# KiCad board ciaa_acc.kicad_pcb (continued)
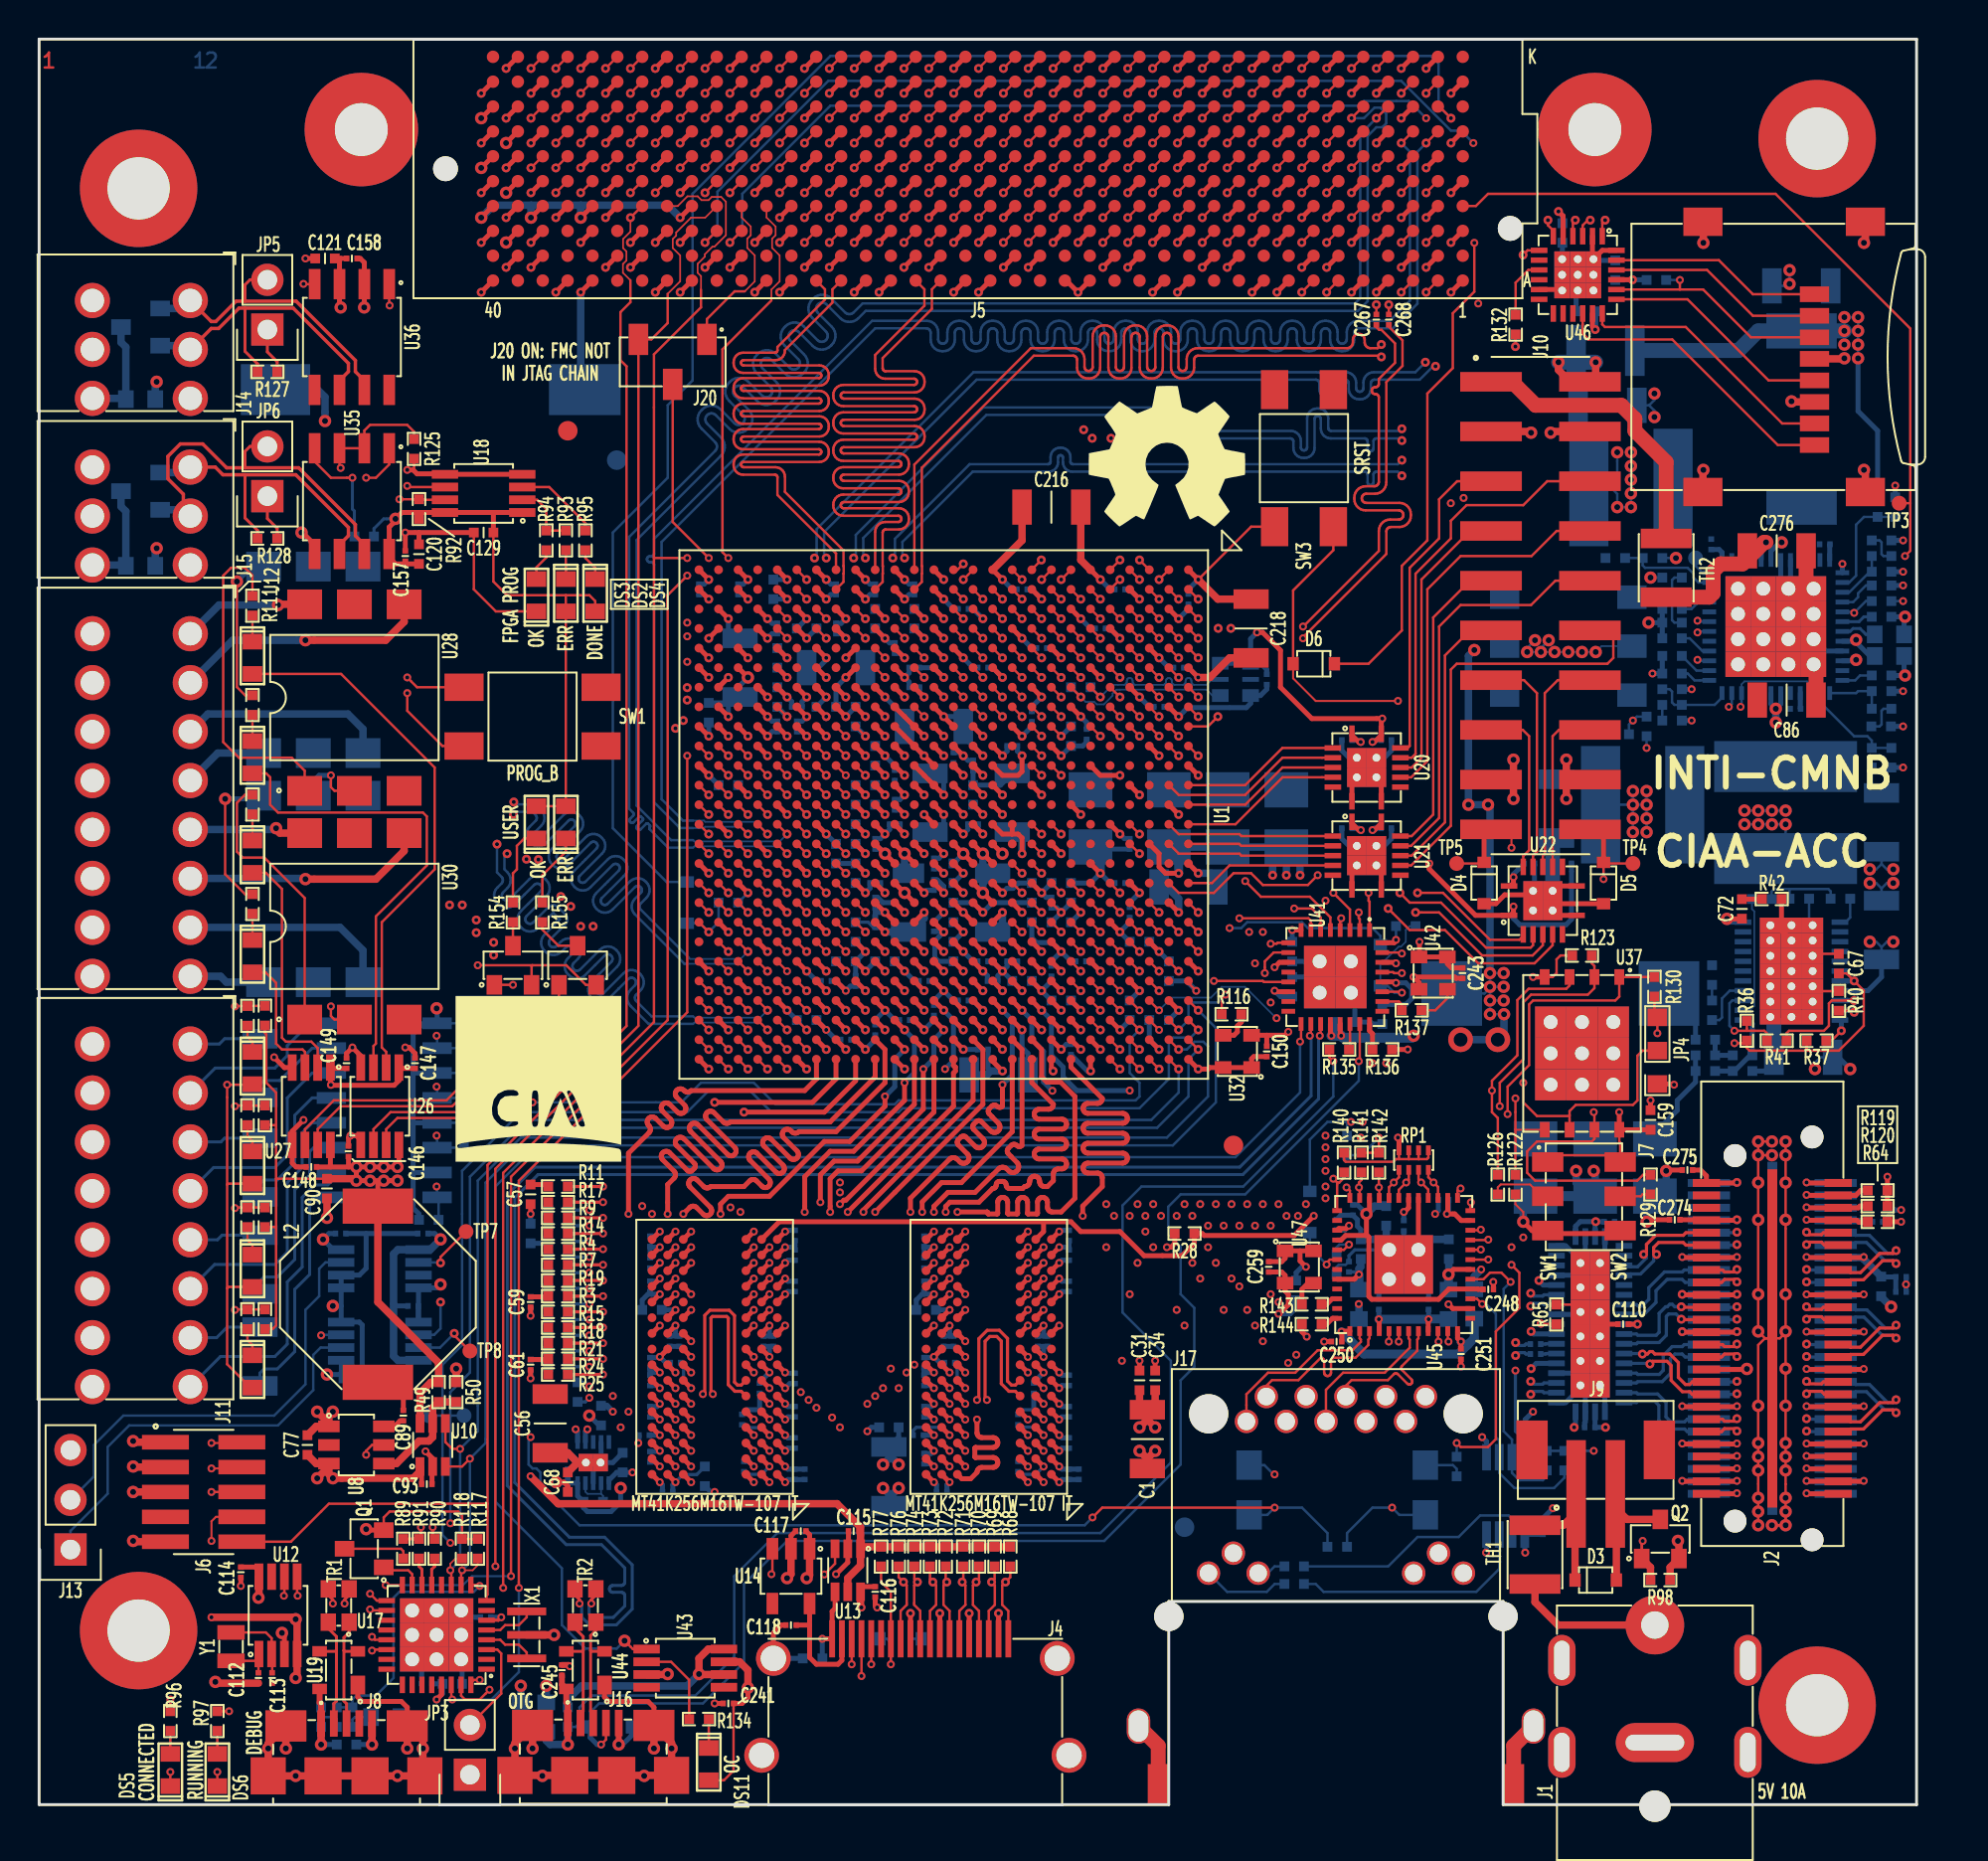
[diagram p0: board, top side]
## Routing (per net, layer and track width the routed paths; a pad name or vN(x,y) marks a point on that pad's centre or on a via; arc(x,y) is an arc through that point) (continued)
/Principal/BANKS_HP/FMC_HB_6_P: length 54.3
  TOP_L1.Sig w0.127: v2(37.82,88.67) 38.41,89.27 J5.K28 ; U1.J4 v2(51.2,59.57)
  L3.Sig w0.089: v2(37.82,88.67) 37.32,88.18 37.32,76.05 37.31,75.97 37.29,75.89 37.24,75.82 37.18,75.76 37.11,75.72 37.04,75.69 36.96,75.68 35.99,75.68 35.97,75.68 35.95,75.67 35.92,75.66 35.91,75.64 35.89,75.62 35.89,75.59 35.88,75.57 35.89,75.55 35.89,75.52 35.91,75.5 35.92,75.48 35.95,75.47 35.97,75.46 35.99,75.46 36.96,75.46 37.04,75.45 37.11,75.42 37.18,75.38 37.24,75.32 37.29,75.25 37.31,75.17 37.32,75.09 37.32,75.05 37.31,74.97 37.29,74.89 37.24,74.82 37.18,74.76 37.11,74.72 37.04,74.69 36.96,74.68 35.99,74.68 35.97,74.68 35.95,74.67 35.92,74.66 35.91,74.64 35.89,74.62 35.89,74.59 35.88,74.57 35.89,74.55 35.89,74.52 35.91,74.5 35.92,74.48 35.95,74.47 35.97,74.46 35.99,74.46 36.96,74.46 37.04,74.45 37.11,74.42 37.18,74.38 37.24,74.32 37.29,74.25 37.31,74.17 37.32,74.09 37.32,74.05 37.31,73.97 37.29,73.89 37.24,73.82 37.18,73.76 37.11,73.72 37.04,73.69 36.96,73.68 35.99,73.68 35.97,73.68 35.95,73.67 35.92,73.66 35.91,73.64 35.89,73.62 35.89,73.59 35.88,73.57 35.89,73.55 35.89,73.52 35.91,73.5 35.92,73.48 35.95,73.47 35.97,73.46 35.99,73.46 36.96,73.46 37.04,73.45 37.11,73.42 37.18,73.38 37.24,73.32 37.29,73.25 37.31,73.17 37.32,73.09 37.32,73.05 37.31,72.97 37.29,72.89 37.24,72.82 37.18,72.76 37.11,72.72 37.04,72.69 36.96,72.68 35.99,72.68 35.97,72.68 35.95,72.67 35.92,72.66 35.91,72.64 35.89,72.62 35.89,72.59 35.88,72.57 35.89,72.55 35.89,72.52 35.91,72.5 35.92,72.48 35.95,72.47 35.97,72.46 35.99,72.46 36.96,72.46 37.04,72.45 37.11,72.42 37.18,72.38 37.24,72.32 37.29,72.25 37.31,72.17 37.32,72.09 37.32,72.05 37.31,71.97 37.29,71.89 37.24,71.82 37.18,71.76 37.11,71.72 37.04,71.69 36.96,71.68 35.99,71.68 35.97,71.68 35.95,71.67 35.92,71.66 35.91,71.64 35.89,71.62 35.89,71.59 35.88,71.57 35.89,71.55 35.89,71.52 35.91,71.5 35.92,71.48 35.95,71.47 35.97,71.46 35.99,71.46 36.96,71.46 37.04,71.45 37.11,71.42 37.18,71.38 37.24,71.32 37.29,71.25 37.31,71.17 37.32,71.09 37.32,70.44 38.76,69 47.02,69 51.84,64.18 51.84,63.87 51.82,63.85 51.82,60.19 v2(51.2,59.57)
/Principal/BANKS_HP/FMC_HB_7_N: length 54.3
  TOP_L1.Sig w0.127: U1.H6 v2(52.2,57.57) ; v2(37.82,87.4) 38.41,88 J5.J28
  L3.Sig w0.089: v2(52.2,57.57) 52.57,57.94 52.57,63.13 52.56,63.15 52.56,64.34 47.41,69.48 40.17,69.48 38.31,71.34 38.31,71.77 38.31,71.8 38.3,71.83 38.28,71.85 38.26,71.88 38.24,71.89 38.21,71.9 38.18,71.91 37.92,71.91 37.83,71.92 37.75,71.94 37.67,71.99 37.61,72.05 37.56,72.13 37.53,72.21 37.52,72.3 37.52,72.34 37.53,72.43 37.56,72.51 37.61,72.59 37.67,72.65 37.75,72.7 37.83,72.72 37.92,72.73 39.32,72.73 39.35,72.74 39.38,72.75 39.4,72.76 39.42,72.79 39.44,72.81 39.45,72.84 39.45,72.87 39.45,72.9 39.44,72.93 39.42,72.95 39.4,72.98 39.38,72.99 39.35,73 39.32,73.01 37.92,73.01 37.83,73.02 37.75,73.04 37.67,73.09 37.61,73.15 37.56,73.23 37.53,73.31 37.52,73.4 37.52,73.44 37.53,73.53 37.56,73.61 37.61,73.69 37.67,73.75 37.75,73.8 37.83,73.82 37.92,73.83 39.32,73.83 39.35,73.84 39.38,73.85 39.4,73.86 39.42,73.89 39.44,73.91 39.45,73.94 39.45,73.97 39.45,74 39.44,74.03 39.42,74.05 39.4,74.08 39.38,74.09 39.35,74.1 39.32,74.11 37.92,74.11 37.83,74.12 37.75,74.14 37.67,74.19 37.61,74.25 37.56,74.33 37.53,74.41 37.52,74.5 37.52,74.54 37.53,74.63 37.56,74.71 37.61,74.79 37.67,74.85 37.75,74.9 37.83,74.92 37.92,74.93 39.32,74.93 39.35,74.94 39.38,74.95 39.4,74.96 39.42,74.99 39.44,75.01 39.45,75.04 39.45,75.07 39.45,75.1 39.44,75.13 39.42,75.15 39.4,75.18 39.38,75.19 39.35,75.2 39.32,75.21 37.92,75.21 37.83,75.22 37.75,75.24 37.67,75.29 37.61,75.35 37.56,75.43 37.53,75.51 37.52,75.6 37.52,75.64 37.53,75.73 37.56,75.81 37.61,75.89 37.67,75.95 37.75,76 37.83,76.02 37.92,76.03 38.18,76.03 38.21,76.04 38.24,76.05 38.26,76.06 38.28,76.09 38.3,76.11 38.31,76.14 38.31,76.17 38.31,77.5 38.31,77.55 38.29,77.6 38.26,77.64 38.23,77.67 38.19,77.7 38.14,77.72 38.09,77.72 38.07,77.72 38.02,77.73 37.97,77.75 37.93,77.77 37.89,77.81 37.86,77.85 37.85,77.9 37.84,77.95 37.85,78 37.86,78.05 37.89,78.09 37.93,78.12 37.97,78.15 38.02,78.17 38.07,78.17 38.09,78.17 38.14,78.18 38.19,78.2 38.23,78.22 38.26,78.26 38.29,78.3 38.31,78.35 38.31,78.4 38.31,78.45 38.29,78.5 38.26,78.54 38.23,78.57 38.19,78.6 38.14,78.62 38.09,78.62 38.07,78.62 38.02,78.63 37.97,78.65 37.93,78.67 37.89,78.71 37.86,78.75 37.85,78.8 37.84,78.85 37.85,78.9 37.86,78.95 37.89,78.99 37.93,79.02 37.97,79.05 38.02,79.07 38.07,79.07 38.09,79.07 38.14,79.08 38.19,79.1 38.23,79.12 38.26,79.16 38.29,79.2 38.31,79.25 38.31,79.3 38.31,86.91 v2(37.82,87.4)
/Principal/BANKS_HP/FMC_HB_7_P: length 54.3
  TOP_L1.Sig w0.127: v2(39.09,87.4) 39.68,88 J5.J27 ; U1.H7 v2(52.2,56.57)
  L3.Sig w0.089: v2(39.09,87.4) 38.59,86.91 38.59,76.15 38.58,76.06 38.55,75.98 38.51,75.9 38.45,75.84 38.37,75.79 38.29,75.77 38.2,75.76 37.94,75.76 37.91,75.75 37.88,75.74 37.86,75.73 37.83,75.7 37.82,75.68 37.81,75.65 37.8,75.62 37.81,75.59 37.82,75.56 37.83,75.54 37.86,75.51 37.88,75.5 37.91,75.49 37.94,75.48 39.34,75.48 39.43,75.47 39.51,75.45 39.58,75.4 39.65,75.34 39.69,75.26 39.72,75.18 39.73,75.09 39.73,75.05 39.72,74.96 39.69,74.88 39.65,74.8 39.58,74.74 39.51,74.69 39.43,74.67 39.34,74.66 37.94,74.66 37.91,74.65 37.88,74.64 37.86,74.63 37.83,74.6 37.82,74.58 37.81,74.55 37.8,74.52 37.81,74.49 37.82,74.46 37.83,74.44 37.86,74.41 37.88,74.4 37.91,74.39 37.94,74.38 39.34,74.38 39.43,74.37 39.51,74.35 39.58,74.3 39.65,74.24 39.69,74.16 39.72,74.08 39.73,73.99 39.73,73.95 39.72,73.86 39.69,73.78 39.65,73.7 39.58,73.64 39.51,73.59 39.43,73.57 39.34,73.56 37.94,73.56 37.91,73.55 37.88,73.54 37.86,73.53 37.83,73.5 37.82,73.48 37.81,73.45 37.8,73.42 37.81,73.39 37.82,73.36 37.83,73.34 37.86,73.31 37.88,73.3 37.91,73.29 37.94,73.28 39.34,73.28 39.43,73.27 39.51,73.25 39.58,73.2 39.65,73.14 39.69,73.06 39.72,72.98 39.73,72.89 39.73,72.85 39.72,72.76 39.69,72.68 39.65,72.6 39.58,72.54 39.51,72.49 39.43,72.47 39.34,72.46 37.94,72.46 37.91,72.45 37.88,72.44 37.86,72.43 37.83,72.4 37.82,72.38 37.81,72.35 37.8,72.32 37.81,72.29 37.82,72.26 37.83,72.24 37.86,72.21 37.88,72.2 37.91,72.19 37.94,72.18 38.2,72.18 38.29,72.17 38.37,72.15 38.45,72.1 38.51,72.04 38.55,71.96 38.58,71.88 38.59,71.79 38.59,71.46 40.29,69.76 47.53,69.76 52.84,64.45 52.84,63.15 52.82,63.13 52.82,57.19 v2(52.2,56.57)
/Principal/BANKS_HP/FMC_HB_8_N: length 54.3
  TOP_L1.Sig w0.127: v2(36.55,83.59) 37.14,84.19 J5.F29 ; U1.G1 v2(52.2,62.57)
  L5.Sig w0.089: v2(52.2,62.57) 51.82,62.95 51.82,63.89 51.84,63.91 51.84,64.18 47.02,69 35.97,69 35.96,69.02 35.94,69.04 35.94,69.07 35.94,69.09 35.94,69.12 35.96,69.14 35.97,69.16 36.44,69.63 36.49,69.69 36.53,69.76 36.54,69.84 36.54,69.93 36.53,70.01 36.49,70.08 36.44,70.15 36.41,70.18 36.34,70.23 36.27,70.26 36.19,70.28 36.11,70.28 36.03,70.26 35.95,70.23 35.89,70.18 34.61,68.9 34.59,68.89 34.57,68.88 34.55,68.87 34.52,68.87 34.5,68.88 34.48,68.89 34.46,68.9 34.44,68.92 34.43,68.94 34.43,68.97 34.43,68.99 34.43,69.02 34.44,69.04 34.46,69.06 34.93,69.53 34.98,69.59 35.01,69.67 35.03,69.75 35.03,69.83 35.01,69.91 34.98,69.98 34.93,70.05 34.78,70.19 34.78,70.39 34.79,70.41 34.8,70.44 34.81,70.46 34.83,70.48 34.85,70.5 34.88,70.51 34.91,70.51 35.07,70.51 35.16,70.52 35.24,70.55 35.31,70.6 35.37,70.66 35.42,70.73 35.44,70.81 35.45,70.89 35.45,71.06 35.44,71.14 35.42,71.23 35.37,71.3 35.31,71.36 35.24,71.4 35.16,71.43 35.07,71.44 34.64,71.44 34.64,71.45 33.65,71.45 33.61,71.46 33.57,71.47 33.53,71.49 33.5,71.52 33.48,71.56 33.47,71.59 33.46,71.64 33.47,71.68 33.48,71.72 33.5,71.75 33.53,71.78 33.57,71.8 33.61,71.82 33.65,71.82 34.34,71.82 34.44,71.83 34.53,71.86 34.62,71.92 34.69,71.99 34.74,72.07 34.77,72.16 34.78,72.26 34.78,72.31 34.77,72.41 34.74,72.5 34.69,72.59 34.62,72.66 34.53,72.71 34.44,72.74 34.34,72.75 33.65,72.75 33.61,72.76 33.57,72.77 33.53,72.79 33.5,72.82 33.48,72.86 33.47,72.89 33.46,72.94 33.47,72.98 33.48,73.02 33.5,73.05 33.53,73.08 33.57,73.1 33.61,73.12 33.65,73.12 34.34,73.12 34.44,73.13 34.53,73.16 34.62,73.22 34.69,73.29 34.74,73.37 34.77,73.46 34.78,73.56 34.78,73.61 34.77,73.71 34.74,73.8 34.69,73.89 34.62,73.96 34.53,74.01 34.44,74.04 34.34,74.05 33.65,74.05 33.61,74.06 33.57,74.07 33.53,74.09 33.5,74.12 33.48,74.16 33.47,74.19 33.46,74.24 33.47,74.28 33.48,74.32 33.5,74.35 33.53,74.38 33.57,74.4 33.61,74.42 33.65,74.42 34.34,74.42 34.44,74.43 34.53,74.46 34.62,74.52 34.69,74.59 34.74,74.67 34.77,74.76 34.78,74.86 34.78,74.91 34.77,75.01 34.74,75.1 34.69,75.19 34.62,75.26 34.53,75.31 34.44,75.34 34.34,75.35 33.65,75.35 33.61,75.36 33.57,75.37 33.53,75.39 33.5,75.42 33.48,75.46 33.47,75.49 33.46,75.54 33.47,75.58 33.48,75.62 33.5,75.65 33.53,75.68 33.57,75.7 33.61,75.72 33.65,75.72 34.34,75.72 34.44,75.73 34.53,75.76 34.62,75.82 34.69,75.89 34.74,75.97 34.77,76.06 34.78,76.16 34.78,76.93 36.05,78.2 36.05,81.5 36.1,81.55 37.11,81.55 37.32,81.76 37.32,82.59 37.82,83.09 38.07,83.09 38.33,83.34 38.33,83.85 38.07,84.1 37.56,84.1 37.06,83.59 v2(36.55,83.59)
/Principal/BANKS_HP/FMC_HB_8_P: length 54.3
  TOP_L1.Sig w0.127: J5.F28 38.41,84.19 v2(37.82,83.59) ; U1.H2 v2(52.2,61.57)
  L5.Sig w0.089: v2(37.82,83.59) 37.04,82.82 37.04,81.88 36.99,81.83 35.98,81.83 35.77,81.62 35.77,78.32 35.33,77.88 35.31,77.86 35.29,77.85 35.26,77.84 35.23,77.84 35.2,77.85 35.18,77.86 35.16,77.88 34.73,78.3 34.71,78.32 34.69,78.33 34.66,78.34 34.63,78.34 34.6,78.33 34.58,78.32 34.56,78.3 34.54,78.28 34.53,78.26 34.52,78.23 34.52,78.2 34.53,78.17 34.54,78.15 34.56,78.13 34.98,77.7 35,77.68 35.01,77.66 35.02,77.63 35.02,77.6 35.01,77.57 35,77.55 34.98,77.53 34.5,77.05 34.5,76.19 34.5,76.14 34.48,76.11 34.46,76.07 34.43,76.04 34.4,76.02 34.36,76.01 34.32,76 33.62,76 33.52,75.99 33.43,75.96 33.35,75.91 33.28,75.84 33.23,75.75 33.19,75.66 33.18,75.56 33.18,75.51 33.19,75.41 33.23,75.32 33.28,75.24 33.35,75.17 33.43,75.11 33.52,75.08 33.62,75.07 34.32,75.07 34.36,75.07 34.4,75.05 34.43,75.03 34.46,75 34.48,74.97 34.5,74.93 34.5,74.89 34.5,74.84 34.48,74.81 34.46,74.77 34.43,74.74 34.4,74.72 34.36,74.71 34.32,74.7 33.62,74.7 33.52,74.69 33.43,74.66 33.35,74.61 33.28,74.54 33.23,74.45 33.19,74.36 33.18,74.26 33.18,74.21 33.19,74.11 33.23,74.02 33.28,73.94 33.35,73.87 33.43,73.81 33.52,73.78 33.62,73.77 34.32,73.77 34.36,73.77 34.4,73.75 34.43,73.73 34.46,73.7 34.48,73.67 34.5,73.63 34.5,73.59 34.5,73.54 34.48,73.51 34.46,73.47 34.43,73.44 34.4,73.42 34.36,73.41 34.32,73.4 33.62,73.4 33.52,73.39 33.43,73.36 33.35,73.31 33.28,73.24 33.23,73.15 33.19,73.06 33.18,72.96 33.18,72.91 33.19,72.81 33.23,72.72 33.28,72.64 33.35,72.57 33.43,72.51 33.52,72.48 33.62,72.47 34.32,72.47 34.36,72.47 34.4,72.45 34.43,72.43 34.46,72.4 34.48,72.37 34.5,72.33 34.5,72.29 34.5,72.24 34.48,72.21 34.46,72.17 34.43,72.14 34.4,72.12 34.36,72.11 34.32,72.1 33.62,72.1 33.52,72.09 33.43,72.06 33.35,72.01 33.28,71.94 33.23,71.85 33.19,71.76 33.18,71.66 33.18,71.61 33.19,71.51 33.23,71.42 33.28,71.34 33.35,71.27 33.43,71.21 33.52,71.18 33.62,71.17 34.64,71.17 34.64,71.16 35.05,71.16 35.08,71.16 35.1,71.15 35.13,71.13 35.15,71.11 35.16,71.09 35.17,71.06 35.17,71.04 35.17,70.92 35.17,70.89 35.16,70.86 35.15,70.84 35.13,70.82 35.1,70.8 35.08,70.79 35.05,70.79 34.89,70.79 34.8,70.78 34.72,70.75 34.65,70.71 34.59,70.65 34.54,70.58 34.51,70.49 34.5,70.41 34.5,70.07 34.71,69.86 34.73,69.85 34.74,69.82 34.74,69.8 34.74,69.77 34.74,69.75 34.73,69.73 34.71,69.71 34.24,69.24 34.19,69.18 34.16,69.1 34.14,69.02 34.14,68.94 34.16,68.86 34.19,68.79 34.24,68.72 34.28,68.69 34.34,68.64 34.41,68.6 34.49,68.58 34.58,68.58 34.66,68.6 34.73,68.64 34.8,68.69 36.07,69.96 36.09,69.98 36.11,69.99 36.14,70 36.16,70 36.18,69.99 36.21,69.98 36.23,69.96 36.24,69.94 36.25,69.92 36.26,69.9 36.26,69.87 36.25,69.85 36.24,69.83 36.23,69.81 35.76,69.34 35.71,69.28 35.67,69.2 35.65,69.12 35.65,69.04 35.67,68.96 35.71,68.88 35.76,68.82 35.86,68.72 46.9,68.72 51.56,64.07 51.56,63.91 51.58,63.89 51.58,62.19 v2(52.2,61.57)
/Principal/BANKS_HP/FMC_HB_9_N: length 54.3
  TOP_L1.Sig w0.127: J5.E28 38.41,82.92 v2(37.82,82.32) ; U1.H3 v2(52.2,60.57)
  L5.Sig w0.089: v2(52.2,60.57) 52.57,60.94 52.57,63.13 52.56,63.15 52.56,64.34 47.41,69.48 40.11,69.48 39.43,69.48 39.34,69.49 39.25,69.53 39.17,69.57 39.11,69.64 39.06,69.72 39.03,69.81 39.02,69.9 39.02,70.33 39.01,70.37 39,70.4 38.98,70.43 38.96,70.46 38.93,70.48 38.89,70.49 38.86,70.49 38.82,70.49 38.79,70.48 38.76,70.46 38.73,70.43 38.71,70.4 38.7,70.37 38.7,70.33 38.7,69.9 38.69,69.81 38.66,69.72 38.61,69.64 38.54,69.57 38.46,69.53 38.37,69.49 38.28,69.48 38.14,69.48 37.04,70.58 37.04,71.13 36.67,71.5 35.63,71.5 35.54,71.51 35.46,71.54 35.39,71.58 35.32,71.65 35.28,71.72 35.25,71.8 35.24,71.89 35.24,71.94 35.25,72.02 35.28,72.11 35.32,72.18 35.39,72.24 35.46,72.29 35.54,72.32 35.63,72.33 36.91,72.33 36.94,72.33 36.97,72.34 36.99,72.36 37.01,72.38 37.03,72.4 37.04,72.43 37.04,72.46 37.04,72.49 37.03,72.52 37.01,72.55 36.99,72.57 36.97,72.58 36.94,72.59 36.91,72.6 35.63,72.6 35.54,72.61 35.46,72.64 35.39,72.68 35.32,72.75 35.28,72.82 35.25,72.9 35.24,72.99 35.24,73.04 35.25,73.12 35.28,73.21 35.32,73.28 35.39,73.34 35.46,73.39 35.54,73.42 35.63,73.43 36.91,73.43 36.94,73.43 36.97,73.44 36.99,73.46 37.01,73.48 37.03,73.5 37.04,73.53 37.04,73.56 37.04,73.59 37.03,73.62 37.01,73.65 36.99,73.67 36.97,73.68 36.94,73.69 36.91,73.7 35.63,73.7 35.54,73.71 35.46,73.74 35.39,73.78 35.32,73.85 35.28,73.92 35.25,74 35.24,74.09 35.24,74.14 35.25,74.22 35.28,74.31 35.32,74.38 35.39,74.44 35.46,74.49 35.54,74.52 35.63,74.53 36.91,74.53 36.94,74.53 36.97,74.54 36.99,74.56 37.01,74.58 37.03,74.6 37.04,74.63 37.04,74.66 37.04,74.69 37.03,74.72 37.01,74.75 36.99,74.77 36.97,74.78 36.94,74.79 36.91,74.8 35.63,74.8 35.54,74.81 35.46,74.84 35.39,74.88 35.32,74.95 35.28,75.02 35.25,75.1 35.24,75.19 35.24,75.24 35.25,75.32 35.28,75.41 35.32,75.48 35.39,75.54 35.46,75.59 35.54,75.62 35.63,75.63 36.91,75.63 36.94,75.63 36.97,75.64 36.99,75.66 37.01,75.68 37.03,75.7 37.04,75.73 37.04,75.76 37.04,75.79 37.03,75.82 37.01,75.85 36.99,75.87 36.97,75.88 36.94,75.89 36.91,75.9 35.63,75.9 35.54,75.91 35.46,75.94 35.39,75.98 35.32,76.05 35.28,76.12 35.25,76.2 35.24,76.29 35.24,76.34 35.25,76.42 35.28,76.51 35.32,76.58 35.39,76.64 35.46,76.69 35.54,76.72 35.63,76.73 36.91,76.73 36.94,76.73 36.97,76.74 36.99,76.76 37.01,76.78 37.03,76.8 37.04,76.83 37.04,76.86 37.04,77.94 37.51,78.4 37.53,78.43 37.55,78.48 37.56,78.52 37.56,78.56 37.55,78.61 37.53,78.65 37.51,78.68 37.27,78.92 37.24,78.95 37.22,79 37.21,79.04 37.21,79.08 37.22,79.13 37.24,79.17 37.27,79.2 37.3,79.23 37.34,79.25 37.39,79.26 37.43,79.26 37.48,79.25 37.52,79.23 37.55,79.2 37.79,78.97 37.82,78.94 37.86,78.92 37.91,78.91 37.95,78.91 38,78.92 38.04,78.94 38.07,78.97 38.31,79.21 38.31,81.83 v2(37.82,82.32)
/Principal/BANKS_HP/FMC_HB_9_P: length 54.3
  TOP_L1.Sig w0.127: U1.H4 v2(52.2,59.57) ; v2(39.09,82.32) 39.68,82.92 J5.E27
  L5.Sig w0.089: v2(52.2,59.57) 52.82,60.19 52.82,63.15 52.84,63.16 52.84,64.45 47.53,69.76 40.11,69.76 39.46,69.76 39.42,69.77 39.39,69.78 39.36,69.8 39.33,69.82 39.31,69.85 39.3,69.89 39.3,69.92 39.3,70.36 39.29,70.45 39.26,70.54 39.21,70.62 39.14,70.68 39.06,70.73 38.97,70.76 38.88,70.77 38.83,70.77 38.74,70.76 38.65,70.73 38.57,70.68 38.51,70.62 38.46,70.54 38.43,70.45 38.42,70.36 38.42,69.92 38.41,69.89 38.4,69.85 38.38,69.82 38.36,69.8 38.33,69.78 38.29,69.77 38.26,69.76 37.32,70.7 37.32,71.26 36.8,71.78 35.65,71.78 35.62,71.78 35.59,71.79 35.57,71.81 35.55,71.83 35.53,71.85 35.52,71.88 35.52,71.91 35.52,71.94 35.53,71.97 35.55,72 35.57,72.02 35.59,72.03 35.62,72.04 35.65,72.05 36.93,72.05 37.02,72.06 37.1,72.09 37.18,72.13 37.24,72.2 37.28,72.27 37.31,72.35 37.32,72.44 37.32,72.49 37.31,72.57 37.28,72.66 37.24,72.73 37.18,72.79 37.1,72.84 37.02,72.87 36.93,72.88 35.65,72.88 35.62,72.88 35.59,72.89 35.57,72.91 35.55,72.93 35.53,72.95 35.52,72.98 35.52,73.01 35.52,73.04 35.53,73.07 35.55,73.1 35.57,73.12 35.59,73.13 35.62,73.14 35.65,73.15 36.93,73.15 37.02,73.16 37.1,73.19 37.18,73.23 37.24,73.3 37.28,73.37 37.31,73.45 37.32,73.54 37.32,73.59 37.31,73.67 37.28,73.76 37.24,73.83 37.18,73.89 37.1,73.94 37.02,73.97 36.93,73.98 35.65,73.98 35.62,73.98 35.59,73.99 35.57,74.01 35.55,74.03 35.53,74.05 35.52,74.08 35.52,74.11 35.52,74.14 35.53,74.17 35.55,74.2 35.57,74.22 35.59,74.23 35.62,74.24 35.65,74.25 36.93,74.25 37.02,74.26 37.1,74.29 37.18,74.33 37.24,74.4 37.28,74.47 37.31,74.55 37.32,74.64 37.32,74.69 37.31,74.77 37.28,74.86 37.24,74.93 37.18,74.99 37.1,75.04 37.02,75.07 36.93,75.08 35.65,75.08 35.62,75.08 35.59,75.09 35.57,75.11 35.55,75.13 35.53,75.15 35.52,75.18 35.52,75.21 35.52,75.24 35.53,75.27 35.55,75.3 35.57,75.32 35.59,75.33 35.62,75.34 35.65,75.35 36.93,75.35 37.02,75.36 37.1,75.39 37.18,75.43 37.24,75.5 37.28,75.57 37.31,75.65 37.32,75.74 37.32,75.79 37.31,75.87 37.28,75.96 37.24,76.03 37.18,76.09 37.1,76.14 37.02,76.17 36.93,76.18 35.65,76.18 35.62,76.18 35.59,76.19 35.57,76.21 35.55,76.23 35.53,76.25 35.52,76.28 35.52,76.31 35.52,76.34 35.53,76.37 35.55,76.4 35.57,76.42 35.59,76.43 35.62,76.44 35.65,76.45 36.93,76.45 37.02,76.46 37.1,76.49 37.18,76.53 37.24,76.6 37.28,76.67 37.31,76.75 37.32,76.84 37.32,77.82 38.59,79.09 38.59,81.83 v2(39.09,82.32)
/Principal/BANKS_HP/FMC_HB_10_N: length 54.3
  TOP_L1.Sig w0.127: U1.L7 v2(49.2,56.57) ; J5.K32 33.33,89.27 v2(32.74,88.67)
  L3.Sig w0.089: v2(32.74,88.67) 33.37,88.67 33.88,89.18 34.26,89.18 34.52,88.93 34.52,88.42 34.26,88.17 34.01,88.17 33.51,87.67 33.51,74.94 33.5,74.84 33.47,74.74 33.41,74.65 33.34,74.58 33.25,74.53 33.15,74.49 33.05,74.48 32.67,74.48 32.62,74.48 32.57,74.46 32.53,74.43 32.5,74.4 32.48,74.36 32.46,74.32 32.45,74.27 32.46,74.22 32.48,74.18 32.5,74.14 32.53,74.11 32.57,74.08 32.62,74.06 32.67,74.06 33.05,74.06 33.15,74.05 33.25,74.01 33.34,73.96 33.41,73.89 33.47,73.8 33.5,73.7 33.51,73.6 33.51,73.54 33.5,73.44 33.47,73.34 33.41,73.25 33.34,73.18 33.25,73.13 33.15,73.09 33.05,73.08 32.67,73.08 32.62,73.08 32.57,73.06 32.53,73.03 32.5,73 32.48,72.96 32.46,72.92 32.45,72.87 32.46,72.82 32.48,72.78 32.5,72.74 32.53,72.71 32.57,72.68 32.62,72.66 32.67,72.66 33.05,72.66 33.15,72.65 33.25,72.61 33.34,72.56 33.41,72.49 33.47,72.4 33.5,72.3 33.51,72.2 33.51,72.14 33.5,72.04 33.47,71.94 33.41,71.85 33.34,71.78 33.25,71.73 33.15,71.69 33.05,71.68 32.67,71.68 32.62,71.68 32.57,71.66 32.53,71.63 32.5,71.6 32.48,71.56 32.46,71.52 32.45,71.47 32.46,71.42 32.48,71.38 32.5,71.34 32.53,71.31 32.57,71.28 32.62,71.26 32.67,71.26 33.05,71.26 33.15,71.25 33.25,71.21 33.34,71.16 33.41,71.09 33.47,71 33.5,70.9 33.51,70.8 33.51,69.81 35.84,67.48 46.29,67.48 49.84,63.93 49.84,63.15 49.82,63.13 49.82,57.19 v2(49.2,56.57)
/Principal/BANKS_HP/FMC_HB_10_P: length 54.3
  TOP_L1.Sig w0.127: J5.K31 34.6,89.27 v2(34.01,88.67) ; U1.M7 v2(48.2,56.57)
  L3.Sig w0.089: v2(48.2,56.57) 48.7,57.07 49.3,57.07 49.58,57.35 49.58,63.13 49.56,63.15 49.56,63.81 46.17,67.2 35.73,67.2 33.23,69.69 33.23,70.77 33.23,70.82 33.21,70.86 33.19,70.9 33.15,70.93 33.11,70.96 33.07,70.98 33.02,70.98 32.64,70.98 32.53,70.99 32.44,71.03 32.35,71.08 32.28,71.15 32.22,71.24 32.19,71.34 32.18,71.44 32.18,71.5 32.19,71.6 32.22,71.7 32.28,71.79 32.35,71.86 32.44,71.91 32.53,71.95 32.64,71.96 33.02,71.96 33.07,71.96 33.11,71.98 33.15,72.01 33.19,72.04 33.21,72.08 33.23,72.12 33.23,72.17 33.23,72.22 33.21,72.26 33.19,72.3 33.15,72.33 33.11,72.36 33.07,72.38 33.02,72.38 32.64,72.38 32.53,72.39 32.44,72.43 32.35,72.48 32.28,72.55 32.22,72.64 32.19,72.74 32.18,72.84 32.18,72.9 32.19,73 32.22,73.1 32.28,73.19 32.35,73.26 32.44,73.31 32.53,73.35 32.64,73.36 33.02,73.36 33.07,73.36 33.11,73.38 33.15,73.41 33.19,73.44 33.21,73.48 33.23,73.52 33.23,73.57 33.23,73.62 33.21,73.66 33.19,73.7 33.15,73.73 33.11,73.76 33.07,73.78 33.02,73.78 32.64,73.78 32.53,73.79 32.44,73.83 32.35,73.88 32.28,73.95 32.22,74.04 32.19,74.14 32.18,74.24 32.18,74.3 32.19,74.4 32.22,74.5 32.28,74.59 32.35,74.66 32.44,74.71 32.53,74.75 32.64,74.76 33.02,74.76 33.07,74.76 33.11,74.78 33.15,74.81 33.19,74.84 33.21,74.88 33.23,74.92 33.23,74.97 33.23,75.02 33.21,75.07 33.18,75.11 33.15,75.15 33.11,75.17 33.06,75.19 33.01,75.19 32.78,75.19 32.73,75.2 32.68,75.22 32.64,75.24 32.61,75.28 32.58,75.32 32.56,75.37 32.56,75.42 32.56,75.47 32.58,75.52 32.61,75.56 32.64,75.6 32.68,75.62 32.73,75.64 32.78,75.65 33.01,75.65 33.06,75.65 33.11,75.67 33.15,75.69 33.18,75.73 33.21,75.77 33.23,75.82 33.23,75.87 33.23,75.92 33.21,75.97 33.18,76.01 33.15,76.05 33.11,76.07 33.06,76.09 33.01,76.09 32.78,76.09 32.73,76.1 32.68,76.12 32.64,76.14 32.61,76.18 32.58,76.22 32.56,76.27 32.56,76.32 32.56,76.37 32.58,76.42 32.61,76.46 32.64,76.5 32.68,76.52 32.73,76.54 32.78,76.55 33.01,76.55 33.06,76.55 33.11,76.57 33.15,76.59 33.18,76.63 33.21,76.67 33.23,76.72 33.23,76.77 33.23,87.9 v2(34.01,88.67)
/Principal/BANKS_HP/FMC_HB_11_N: length 54.4
  TOP_L1.Sig w0.127: J5.J31 34.6,88 v2(34.01,87.4) ; U1.J6 v2(51.2,57.57)
  L3.Sig w0.089: v2(34.01,87.4) 34.64,87.4 35.15,87.91 35.53,87.91 35.79,87.66 35.79,87.15 35.53,86.9 35.28,86.9 34.78,86.4 34.78,76.04 34.77,75.95 34.74,75.86 34.69,75.79 34.63,75.72 34.55,75.67 34.46,75.64 34.37,75.63 34.2,75.63 34.16,75.63 34.13,75.61 34.1,75.6 34.07,75.57 34.05,75.54 34.04,75.51 34.04,75.47 34.04,75.43 34.05,75.4 34.07,75.37 34.1,75.34 34.13,75.33 34.16,75.31 34.2,75.31 35.03,75.31 35.11,75.3 35.18,75.28 35.25,75.23 35.3,75.18 35.35,75.11 35.37,75.04 35.38,74.96 35.38,74.78 35.37,74.7 35.35,74.63 35.3,74.56 35.25,74.51 35.18,74.46 35.11,74.44 35.03,74.43 34.2,74.43 34.16,74.43 34.13,74.41 34.1,74.4 34.07,74.37 34.05,74.34 34.04,74.31 34.04,74.27 34.04,74.23 34.05,74.2 34.07,74.17 34.1,74.14 34.13,74.13 34.16,74.11 34.2,74.11 35.01,74.11 35.08,74.1 35.15,74.08 35.21,74.04 35.26,73.99 35.3,73.93 35.32,73.86 35.33,73.79 35.33,73.55 35.32,73.48 35.3,73.41 35.26,73.35 35.21,73.3 35.15,73.26 35.08,73.24 35.01,73.23 34.2,73.23 34.16,73.23 34.13,73.21 34.1,73.2 34.07,73.17 34.05,73.14 34.04,73.11 34.04,73.07 34.04,73.03 34.05,73 34.07,72.97 34.1,72.94 34.13,72.93 34.16,72.91 34.2,72.91 35.01,72.91 35.08,72.9 35.15,72.88 35.21,72.84 35.26,72.79 35.3,72.73 35.32,72.66 35.33,72.59 35.33,72.35 35.32,72.28 35.3,72.21 35.26,72.15 35.21,72.1 35.15,72.06 35.08,72.04 35.01,72.03 34.2,72.03 34.16,72.03 34.13,72.01 34.1,72 34.07,71.97 34.05,71.94 34.04,71.91 34.04,71.87 34.04,71.83 34.05,71.8 34.07,71.77 34.1,71.74 34.13,71.73 34.16,71.71 34.2,71.71 34.37,71.71 34.46,71.7 34.55,71.67 34.63,71.62 34.69,71.55 34.74,71.48 34.77,71.39 34.78,71.3 34.78,70.44 36.99,68.24 46.63,68.24 50.84,64.03 50.84,63.85 50.81,63.82 50.81,63.16 50.82,63.15 50.82,57.95 v2(51.2,57.57)
/Principal/BANKS_HP/FMC_HB_11_P: length 54.4
  TOP_L1.Sig w0.127: U1.K6 v2(50.2,57.57) ; J5.J30 35.87,88 v2(35.28,87.4)
  L3.Sig w0.089: v2(50.2,57.57) 50.58,57.95 50.58,63.09 50.56,63.1 50.56,63.91 46.51,67.96 36.87,67.96 34.5,70.33 34.5,71.27 34.5,71.31 34.49,71.34 34.47,71.37 34.44,71.4 34.41,71.41 34.38,71.43 34.34,71.43 34.17,71.43 34.08,71.44 33.99,71.47 33.91,71.52 33.85,71.59 33.8,71.66 33.77,71.75 33.76,71.84 33.76,71.9 33.77,71.99 33.8,72.08 33.85,72.15 33.91,72.22 33.99,72.27 34.08,72.3 34.17,72.31 34.99,72.31 35,72.31 35.01,72.32 35.03,72.32 35.04,72.33 35.04,72.35 35.05,72.36 35.05,72.37 35.05,72.57 35.05,72.58 35.04,72.59 35.04,72.61 35.03,72.62 35.01,72.62 35,72.63 34.99,72.63 34.17,72.63 34.08,72.64 33.99,72.67 33.91,72.72 33.85,72.79 33.8,72.86 33.77,72.95 33.76,73.04 33.76,73.1 33.77,73.19 33.8,73.28 33.85,73.35 33.91,73.42 33.99,73.47 34.08,73.5 34.17,73.51 34.99,73.51 35,73.51 35.01,73.52 35.03,73.52 35.04,73.53 35.04,73.55 35.05,73.56 35.05,73.57 35.05,73.77 35.05,73.78 35.04,73.79 35.04,73.81 35.03,73.82 35.01,73.82 35,73.83 34.99,73.83 34.17,73.83 34.08,73.84 33.99,73.87 33.91,73.92 33.85,73.99 33.8,74.06 33.77,74.15 33.76,74.24 33.76,74.3 33.77,74.39 33.8,74.48 33.85,74.55 33.91,74.62 33.99,74.67 34.08,74.7 34.17,74.71 35.01,74.71 35.03,74.71 35.05,74.72 35.07,74.73 35.08,74.74 35.09,74.76 35.1,74.78 35.1,74.8 35.1,74.94 35.1,74.96 35.09,74.98 35.08,75 35.07,75.01 35.05,75.02 35.03,75.03 35.01,75.03 34.17,75.03 34.08,75.04 33.99,75.07 33.91,75.12 33.85,75.19 33.8,75.26 33.77,75.35 33.76,75.44 33.76,75.5 33.77,75.59 33.8,75.68 33.85,75.75 33.91,75.82 33.99,75.87 34.08,75.9 34.17,75.91 34.34,75.91 34.38,75.91 34.41,75.93 34.44,75.94 34.47,75.97 34.49,76 34.5,76.03 34.5,76.07 34.5,76.23 34.5,76.26 34.49,76.29 34.47,76.32 34.45,76.35 34.42,76.36 34.39,76.37 34.35,76.38 34.09,76.38 34.06,76.38 34.03,76.39 34,76.41 33.97,76.43 33.96,76.46 33.95,76.49 33.94,76.53 33.95,76.56 33.96,76.59 33.97,76.62 34,76.65 34.03,76.66 34.06,76.67 34.09,76.68 34.35,76.68 34.39,76.68 34.42,76.69 34.45,76.71 34.47,76.73 34.49,76.76 34.5,76.79 34.5,76.83 34.5,76.86 34.49,76.89 34.47,76.92 34.45,76.95 34.42,76.96 34.39,76.97 34.35,76.98 34.09,76.98 34.06,76.98 34.03,76.99 34,77.01 33.97,77.03 33.96,77.06 33.95,77.09 33.94,77.13 33.95,77.16 33.96,77.19 33.97,77.22 34,77.25 34.03,77.26 34.06,77.27 34.09,77.28 34.35,77.28 34.39,77.28 34.42,77.29 34.45,77.31 34.47,77.33 34.49,77.36 34.5,77.39 34.5,77.43 34.5,77.46 34.49,77.49 34.47,77.52 34.45,77.55 34.42,77.56 34.39,77.57 34.35,77.58 34.09,77.58 34.06,77.58 34.03,77.59 34,77.61 33.97,77.63 33.96,77.66 33.95,77.69 33.94,77.73 33.95,77.76 33.96,77.79 33.97,77.82 34,77.85 34.03,77.86 34.06,77.87 34.09,77.88 34.35,77.88 34.39,77.88 34.42,77.89 34.45,77.91 34.47,77.93 34.49,77.96 34.5,77.99 34.5,78.03 34.5,86.63 v2(35.28,87.4)
